# KiCad board Cacao.kicad_pcb
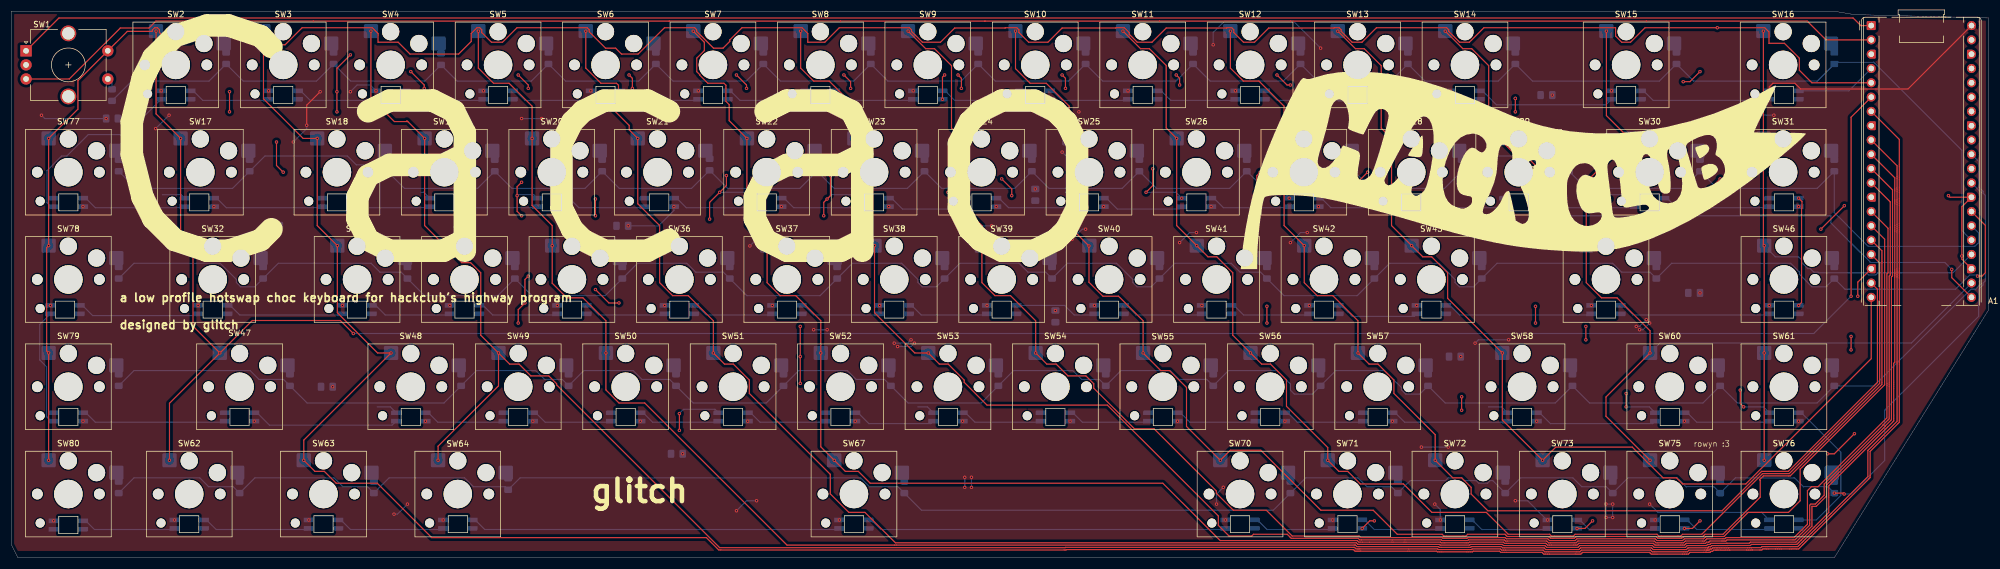
[diagram p0: board, top side]
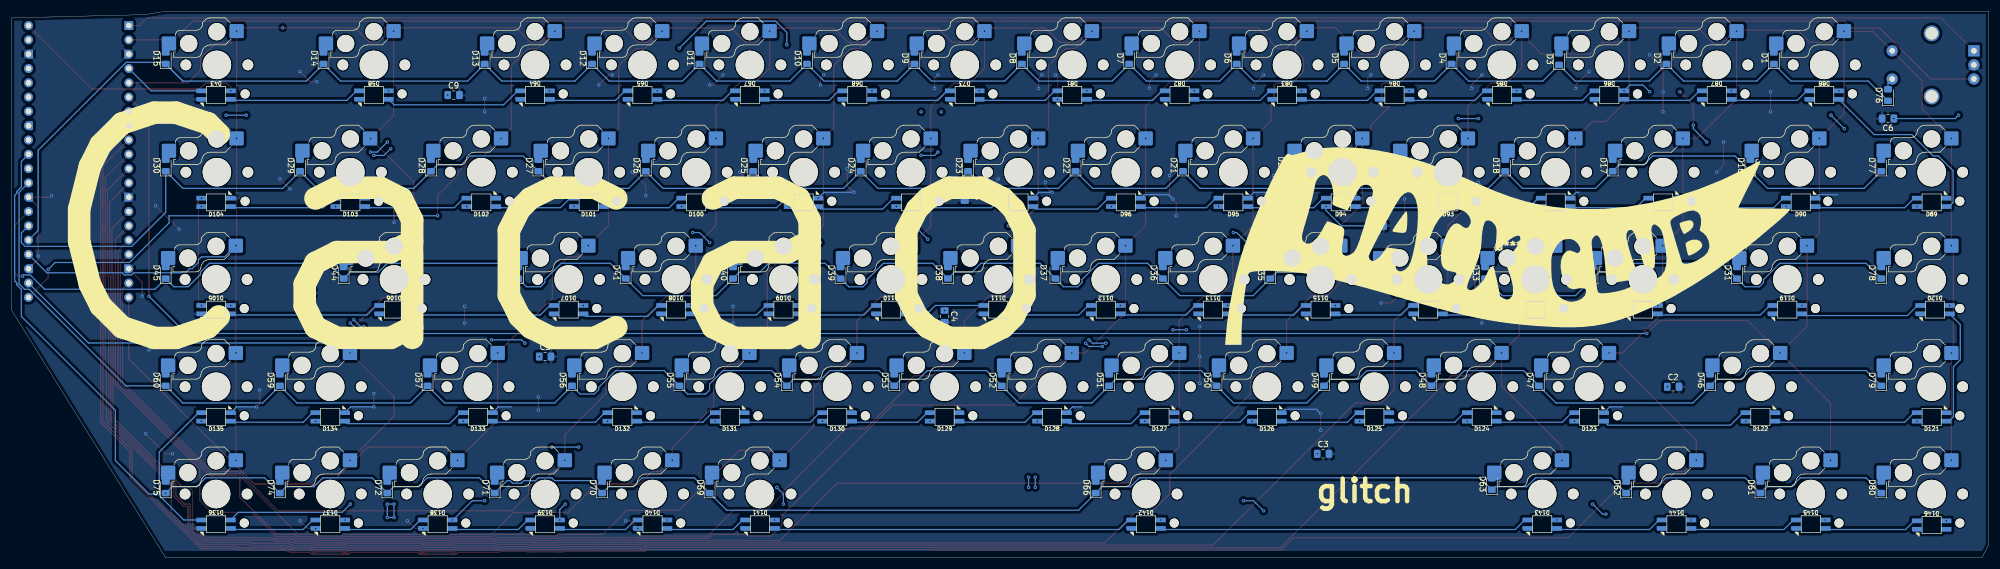
[diagram p1: board, bottom side, seen from below]

Outline 350.64 x 97.04 mm; copper layers: Top, Bottom. Coordinates in mm from the lower left corner of the outline.
Outline path: 0,97.04 0,2.38 1.19,0 323.25,0 350.64,44.05 350.64,95.85 326.83,96.44 323.25,97.04 0,97.04

## Placement (name value [footprint] x y rotation side)
A1  RaspberryPi_Pico  [RaspberryPi_Pico_Common_THT]  329.8 94.5 0 top
C1  C  [C_0805_2012Metric_Pad1.18x1.45mm_HandSolder]  46.59 58.94 180 bottom
C2  C  [C_0805_2012Metric_Pad1.18x1.45mm_HandSolder]  55.96 30.36 180 bottom
C3  C  [C_0805_2012Metric_Pad1.18x1.45mm_HandSolder]  118.03 18.45 180 bottom
C4  C  [C_0805_2012Metric_Pad1.18x1.45mm_HandSolder]  185.14 42.86 270 bottom
C5  C  [C_0805_2012Metric_Pad1.18x1.45mm_HandSolder]  255.98 35.72 180 bottom
C6  C  [C_0805_2012Metric_Pad1.18x1.45mm_HandSolder]  17.86 77.99 0 bottom
C7  C  [C_0805_2012Metric_Pad1.18x1.45mm_HandSolder]  181.57 64.45 270 bottom
C8  C  [C_0805_2012Metric_Pad1.18x1.45mm_HandSolder]  108.35 58.94 180 bottom
C9  C  [C_0805_2012Metric_Pad1.18x1.45mm_HandSolder]  272.21 82.15 180 bottom
C10  C  [C_0805_2012Metric_Pad1.18x1.45mm_HandSolder]  298.4 47.03 180 bottom
D1  D  [D_0805_2012Metric_Pad1.15x1.40mm_HandSolder]  38.1 88.7 90 bottom
D2  D  [D_0805_2012Metric_Pad1.15x1.40mm_HandSolder]  57.15 88.7 90 bottom
D3  D  [D_0805_2012Metric_Pad1.15x1.40mm_HandSolder]  76.2 88.54 90 bottom
D4  D  [D_0805_2012Metric_Pad1.15x1.40mm_HandSolder]  95.25 88.7 90 bottom
D5  D  [D_0805_2012Metric_Pad1.15x1.40mm_HandSolder]  114.3 88.7 90 bottom
D6  D  [D_0805_2012Metric_Pad1.15x1.40mm_HandSolder]  133.35 88.7 90 bottom
D7  D  [D_0805_2012Metric_Pad1.15x1.40mm_HandSolder]  152.4 88.7 90 bottom
D8  D  [D_0805_2012Metric_Pad1.15x1.40mm_HandSolder]  171.45 88.7 90 bottom
D9  D  [D_0805_2012Metric_Pad1.15x1.40mm_HandSolder]  190.5 88.7 90 bottom
D10  D  [D_0805_2012Metric_Pad1.15x1.40mm_HandSolder]  209.55 88.7 90 bottom
D11  D  [D_0805_2012Metric_Pad1.15x1.40mm_HandSolder]  228.6 88.7 90 bottom
D12  D  [D_0805_2012Metric_Pad1.15x1.40mm_HandSolder]  247.65 88.7 90 bottom
D13  D  [D_0805_2012Metric_Pad1.15x1.40mm_HandSolder]  266.7 88.7 90 bottom
D14  D  [D_0805_2012Metric_Pad1.15x1.40mm_HandSolder]  295.28 88.7 90 bottom
D15  D  [D_0805_2012Metric_Pad1.15x1.40mm_HandSolder]  323.25 88.7 90 bottom
D16  D  [D_0805_2012Metric_Pad1.15x1.40mm_HandSolder]  42.27 69.65 90 bottom
D17  D  [D_0805_2012Metric_Pad1.15x1.40mm_HandSolder]  66.68 69.65 90 bottom
D18  D  [D_0805_2012Metric_Pad1.15x1.40mm_HandSolder]  85.73 69.65 90 bottom
D19  D  [D_0805_2012Metric_Pad1.15x1.40mm_HandSolder]  104.78 69.65 90 bottom
D20  D  [D_0805_2012Metric_Pad1.15x1.40mm_HandSolder]  123.83 69.82 90 bottom
D21  D  [D_0805_2012Metric_Pad1.15x1.40mm_HandSolder]  142.88 69.65 90 bottom
D22  D  [D_0805_2012Metric_Pad1.15x1.40mm_HandSolder]  161.93 69.65 90 bottom
D23  D  [D_0805_2012Metric_Pad1.15x1.40mm_HandSolder]  180.98 69.65 90 bottom
D24  D  [D_0805_2012Metric_Pad1.15x1.40mm_HandSolder]  200.03 69.65 90 bottom
D25  D  [D_0805_2012Metric_Pad1.15x1.40mm_HandSolder]  219.08 69.65 90 bottom
D26  D  [D_0805_2012Metric_Pad1.15x1.40mm_HandSolder]  238.13 69.65 90 bottom
D27  D  [D_0805_2012Metric_Pad1.15x1.40mm_HandSolder]  257.18 69.65 90 bottom
D28  D  [D_0805_2012Metric_Pad1.15x1.40mm_HandSolder]  276.23 69.65 90 bottom
D29  D  [D_0805_2012Metric_Pad1.15x1.40mm_HandSolder]  299.44 69.65 90 bottom
D30  D  [D_0805_2012Metric_Pad1.15x1.40mm_HandSolder]  323.25 69.65 90 bottom
D31  D  [D_0805_2012Metric_Pad1.15x1.40mm_HandSolder]  44.65 50.6 90 bottom
D32  D  [D_0805_2012Metric_Pad1.15x1.40mm_HandSolder]  70.25 50.6 90 bottom
D33  D  [D_0805_2012Metric_Pad1.15x1.40mm_HandSolder]  89.3 50.6 90 bottom
D34  D  [D_0805_2012Metric_Pad1.15x1.40mm_HandSolder]  108.35 50.6 90 bottom
D35  D  [D_0805_2012Metric_Pad1.15x1.40mm_HandSolder]  127.4 50.6 90 bottom
D36  D  [D_0805_2012Metric_Pad1.15x1.40mm_HandSolder]  146.45 50.6 90 bottom
D37  D  [D_0805_2012Metric_Pad1.15x1.40mm_HandSolder]  165.5 50.6 90 bottom
D38  D  [D_0805_2012Metric_Pad1.15x1.40mm_HandSolder]  184.55 50.6 90 bottom
D39  D  [D_0805_2012Metric_Pad1.15x1.40mm_HandSolder]  203.6 50.6 90 bottom
D40  D  [D_0805_2012Metric_Pad1.15x1.40mm_HandSolder]  222.65 50.6 90 bottom
D41  D  [D_0805_2012Metric_Pad1.15x1.40mm_HandSolder]  241.7 50.6 90 bottom
D42  D  [D_0805_2012Metric_Pad1.15x1.40mm_HandSolder]  260.75 50.6 90 bottom
D43  SK6812MINI  [SK6812MINI-E]  314.33 82.15 0 bottom
D44  D  [D_0805_2012Metric_Pad1.15x1.40mm_HandSolder]  291.7 50.6 90 bottom
D45  D  [D_0805_2012Metric_Pad1.15x1.40mm_HandSolder]  323.25 50.6 90 bottom
D46  D  [D_0805_2012Metric_Pad1.15x1.40mm_HandSolder]  49.41 31.55 90 bottom
D47  D  [D_0805_2012Metric_Pad1.15x1.40mm_HandSolder]  79.77 31.55 90 bottom
D48  D  [D_0805_2012Metric_Pad1.15x1.40mm_HandSolder]  98.82 31.55 90 bottom
D49  D  [D_0805_2012Metric_Pad1.15x1.40mm_HandSolder]  117.87 31.55 90 bottom
D50  D  [D_0805_2012Metric_Pad1.15x1.40mm_HandSolder]  136.92 31.55 90 bottom
D51  D  [D_0805_2012Metric_Pad1.15x1.40mm_HandSolder]  155.97 31.55 90 bottom
D52  D  [D_0805_2012Metric_Pad1.15x1.40mm_HandSolder]  175.02 31.55 90 bottom
D53  D  [D_0805_2012Metric_Pad1.15x1.40mm_HandSolder]  194.07 31.55 90 bottom
D54  D  [D_0805_2012Metric_Pad1.15x1.40mm_HandSolder]  213.12 31.55 90 bottom
D55  D  [D_0805_2012Metric_Pad1.15x1.40mm_HandSolder]  232.17 31.55 90 bottom
D56  D  [D_0805_2012Metric_Pad1.15x1.40mm_HandSolder]  251.22 31.55 90 bottom
D57  D  [D_0805_2012Metric_Pad1.15x1.40mm_HandSolder]  276.82 31.55 90 bottom
D58  SK6812MINI  [SK6812MINI-E]  286.35 82.15 0 bottom
D59  D  [D_0805_2012Metric_Pad1.15x1.40mm_HandSolder]  303.01 31.55 90 bottom
D60  D  [D_0805_2012Metric_Pad1.15x1.40mm_HandSolder]  323.25 31.55 90 bottom
D61  D  [D_0805_2012Metric_Pad1.15x1.40mm_HandSolder]  40.48 12.5 90 bottom
D62  D  [D_0805_2012Metric_Pad1.15x1.40mm_HandSolder]  64.29 12.5 90 bottom
D63  D  [D_0805_2012Metric_Pad1.15x1.40mm_HandSolder]  88.11 13.1 90 bottom
D64  SK6812MINI  [SK6812MINI-E]  257.77 82.15 0 bottom
D65  SK6812MINI  [SK6812MINI-E]  238.72 82.15 0 bottom
D66  D  [D_0805_2012Metric_Pad1.15x1.40mm_HandSolder]  158.35 12.5 90 bottom
D67  SK6812MINI  [SK6812MINI-E]  219.67 82.15 0 bottom
D68  SK6812MINI  [SK6812MINI-E]  200.62 82.15 0 bottom
D69  D  [D_0805_2012Metric_Pad1.15x1.40mm_HandSolder]  226.81 12.5 90 bottom
D70  D  [D_0805_2012Metric_Pad1.15x1.40mm_HandSolder]  245.86 12.5 90 bottom
D71  D  [D_0805_2012Metric_Pad1.15x1.40mm_HandSolder]  264.91 12.5 90 bottom
D72  D  [D_0805_2012Metric_Pad1.15x1.40mm_HandSolder]  283.96 12.5 90 bottom
D73  SK6812MINI  [SK6812MINI-E]  181.57 82.15 0 bottom
D74  D  [D_0805_2012Metric_Pad1.15x1.40mm_HandSolder]  303.01 12.5 90 bottom
D75  D  [D_0805_2012Metric_Pad1.15x1.40mm_HandSolder]  323.25 12.5 90 bottom
D76  D  [D_0805_2012Metric_Pad1.15x1.40mm_HandSolder]  17.86 82.15 90 bottom
D77  D  [D_0805_2012Metric_Pad1.15x1.40mm_HandSolder]  19.05 69.65 90 bottom
D78  D  [D_0805_2012Metric_Pad1.15x1.40mm_HandSolder]  19.05 50.6 90 bottom
D79  D  [D_0805_2012Metric_Pad1.15x1.40mm_HandSolder]  19.05 31.55 90 bottom
D80  D  [D_0805_2012Metric_Pad1.15x1.40mm_HandSolder]  19.05 12.5 90 bottom
D81  SK6812MINI  [SK6812MINI-E]  162.52 82.15 0 bottom
D82  SK6812MINI  [SK6812MINI-E]  143.47 82.15 0 bottom
D83  SK6812MINI  [SK6812MINI-E]  124.42 82.15 0 bottom
D84  SK6812MINI  [SK6812MINI-E]  105.37 82.15 0 bottom
D85  SK6812MINI  [SK6812MINI-E]  86.32 82.15 0 bottom
D86  SK6812MINI  [SK6812MINI-E]  67.27 82.15 0 bottom
D87  SK6812MINI  [SK6812MINI-E]  48.22 82.15 0 bottom
D88  SK6812MINI  [SK6812MINI-E]  29.17 82.15 0 bottom
D89  SK6812MINI  [SK6812MINI-E]  10.12 63.1 180 bottom
D90  SK6812MINI  [SK6812MINI-E]  33.34 63.1 180 bottom
D91  SK6812MINI  [SK6812MINI-E]  57.75 63.1 180 bottom
D92  SK6812MINI  [SK6812MINI-E]  76.8 63.1 180 bottom
D93  SK6812MINI  [SK6812MINI-E]  95.85 63.1 180 bottom
D94  SK6812MINI  [SK6812MINI-E]  114.9 63.1 180 bottom
D95  SK6812MINI  [SK6812MINI-E]  133.95 63.1 180 bottom
D96  SK6812MINI  [SK6812MINI-E]  153 63.1 180 bottom
D97  SK6812MINI  [SK6812MINI-E]  172.05 63.1 180 bottom
D98  SK6812MINI  [SK6812MINI-E]  191.1 63.1 180 bottom
D99  SK6812MINI  [SK6812MINI-E]  210.15 63.1 180 bottom
D100  SK6812MINI  [SK6812MINI-E]  229.2 63.1 180 bottom
D101  SK6812MINI  [SK6812MINI-E]  248.25 63.1 180 bottom
D102  SK6812MINI  [SK6812MINI-E]  267.3 63.1 180 bottom
D103  SK6812MINI  [SK6812MINI-E]  290.51 63.1 180 bottom
D104  SK6812MINI  [SK6812MINI-E]  314.33 63.1 180 bottom
D105  SK6812MINI  [SK6812MINI-E]  314.33 44.05 0 bottom
D106  SK6812MINI  [SK6812MINI-E]  282.77 44.05 0 bottom
D107  SK6812MINI  [SK6812MINI-E]  251.82 44.05 0 bottom
D108  SK6812MINI  [SK6812MINI-E]  232.77 44.05 0 bottom
D109  SK6812MINI  [SK6812MINI-E]  213.72 44.05 0 bottom
D110  SK6812MINI  [SK6812MINI-E]  194.67 44.05 0 bottom
D111  SK6812MINI  [SK6812MINI-E]  175.62 44.05 0 bottom
D112  SK6812MINI  [SK6812MINI-E]  156.57 44.05 0 bottom
D113  SK6812MINI  [SK6812MINI-E]  137.54 44.05 0 bottom
D115  SK6812MINI  [SK6812MINI-E]  118.47 44.05 0 bottom
D116  SK6812MINI  [SK6812MINI-E]  99.42 44.05 0 bottom
D117  SK6812MINI  [SK6812MINI-E]  80.37 44.05 0 bottom
D118  SK6812MINI  [SK6812MINI-E]  61.32 44.05 0 bottom
D119  SK6812MINI  [SK6812MINI-E]  35.72 44.05 0 bottom
D120  SK6812MINI  [SK6812MINI-E]  9.53 44.05 0 bottom
D121  SK6812MINI  [SK6812MINI-E]  10.12 25 180 bottom
D122  SK6812MINI  [SK6812MINI-E]  40.48 25 180 bottom
D123  SK6812MINI  [SK6812MINI-E]  70.84 25 180 bottom
D124  SK6812MINI  [SK6812MINI-E]  89.89 25 180 bottom
D125  SK6812MINI  [SK6812MINI-E]  108.94 25 180 bottom
D126  SK6812MINI  [SK6812MINI-E]  127.99 25 180 bottom
D127  SK6812MINI  [SK6812MINI-E]  147.04 25 180 bottom
D128  SK6812MINI  [SK6812MINI-E]  166.09 25 180 bottom
D129  SK6812MINI  [SK6812MINI-E]  185.14 25 180 bottom
D130  SK6812MINI  [SK6812MINI-E]  204.19 25 180 bottom
D131  SK6812MINI  [SK6812MINI-E]  223.24 25 180 bottom
D132  SK6812MINI  [SK6812MINI-E]  242.29 25 180 bottom
D133  SK6812MINI  [SK6812MINI-E]  267.89 25 180 bottom
D134  SK6812MINI  [SK6812MINI-E]  294.08 25 180 bottom
D135  SK6812MINI  [SK6812MINI-E]  314.33 25 180 bottom
D136  SK6812MINI  [SK6812MINI-E]  314.33 5.95 0 bottom
D137  SK6812MINI  [SK6812MINI-E]  294.08 5.95 0 bottom
D138  SK6812MINI  [SK6812MINI-E]  275.03 5.95 0 bottom
D139  SK6812MINI  [SK6812MINI-E]  255.98 5.95 0 bottom
D140  SK6812MINI  [SK6812MINI-E]  236.93 5.95 0 bottom
D141  SK6812MINI  [SK6812MINI-E]  217.88 5.95 0 bottom
D142  SK6812MINI  [SK6812MINI-E]  149.42 5.95 0 bottom
D143  SK6812MINI  [SK6812MINI-E]  79.18 5.95 0 bottom
D144  SK6812MINI  [SK6812MINI-E]  55.36 5.95 0 bottom
D145  SK6812MINI  [SK6812MINI-E]  31.55 5.95 0 bottom
D146  SK6812MINI  [SK6812MINI-E]  10.12 5.8 0 bottom
G***  -  [LOGO]  268.3 68.81 0 top
G***#2  -  [LOGO]  85.13 55.36 180 bottom
SW1  RotaryEncoder_Switch  [RotaryEncoder_Alps_EC12E-Switch_Vertical_H20mm_CircularMountingHoles]  2.62 90.01 0 top
SW2  esc  [Hotswap_Choc_V1V2_1.00u]  29.17 87.51 0 top
SW3  SW_Push  [Hotswap_Choc_V1V2_1.00u]  48.22 87.51 0 top
SW4  SW_Push  [Hotswap_Choc_V1V2_1.00u]  67.27 87.51 0 top
SW5  SW_Push  [Hotswap_Choc_V1V2_1.00u]  86.32 87.51 0 top
SW6  SW_Push  [Hotswap_Choc_V1V2_1.00u]  105.37 87.51 0 top
SW7  SW_Push  [Hotswap_Choc_V1V2_1.00u]  124.42 87.51 0 top
SW8  SW_Push  [Hotswap_Choc_V1V2_1.00u]  143.47 87.51 0 top
SW9  SW_Push  [Hotswap_Choc_V1V2_1.00u]  162.52 87.51 0 top
SW10  SW_Push  [Hotswap_Choc_V1V2_1.00u]  181.57 87.51 0 top
SW11  SW_Push  [Hotswap_Choc_V1V2_1.00u]  200.62 87.51 0 top
SW12  SW_Push  [Hotswap_Choc_V1V2_1.00u]  219.67 87.51 0 top
SW13  SW_Push  [Hotswap_Choc_V1V2_1.00u]  238.72 87.51 0 top
SW14  +  [Hotswap_Choc_V1V2_1.00u]  257.77 87.51 0 top
SW15  back  [Hotswap_Choc_V1V2_2.00u]  286.35 87.51 0 top
SW16  `  [Hotswap_Choc_V1V2_1.00u]  314.18 87.51 0 top
SW17  tab  [Hotswap_Choc_V1V2_1.50u]  33.53 68.46 0 top
SW18  SW_Push  [Hotswap_Choc_V1V2_1.00u]  57.75 68.46 0 top
SW19  SW_Push  [Hotswap_Choc_V1V2_1.00u]  76.8 68.46 0 top
SW20  SW_Push  [Hotswap_Choc_V1V2_1.00u]  95.85 68.46 0 top
SW21  SW_Push  [Hotswap_Choc_V1V2_1.00u]  114.59 68.46 0 top
SW22  SW_Push  [Hotswap_Choc_V1V2_1.00u]  133.95 68.46 0 top
SW23  SW_Push  [Hotswap_Choc_V1V2_1.00u]  153 68.46 0 top
SW24  SW_Push  [Hotswap_Choc_V1V2_1.00u]  172.05 68.46 0 top
SW25  SW_Push  [Hotswap_Choc_V1V2_1.00u]  191.1 68.46 0 top
SW26  SW_Push  [Hotswap_Choc_V1V2_1.00u]  210.15 68.46 0 top
SW27  SW_Push  [Hotswap_Choc_V1V2_1.00u]  229.2 68.46 0 top
SW28  SW_Push  [Hotswap_Choc_V1V2_1.00u]  248.25 68.46 0 top
SW29  ]  [Hotswap_Choc_V1V2_1.00u]  267.3 68.46 0 top
SW30  \  [Hotswap_Choc_V1V2_1.50u]  290.51 68.46 0 top
SW31  del  [Hotswap_Choc_V1V2_1.00u]  314.18 68.46 0 top
SW32  caps  [Hotswap_Choc_V1V2_1.75u]  35.72 49.41 0 top
SW33  SW_Push  [Hotswap_Choc_V1V2_1.00u]  61.32 49.41 0 top
SW34  SW_Push  [Hotswap_Choc_V1V2_1.00u]  80.37 49.41 0 top
SW35  SW_Push  [Hotswap_Choc_V1V2_1.00u]  99.42 49.41 0 top
SW36  SW_Push  [Hotswap_Choc_V1V2_1.00u]  118.47 49.41 0 top
SW37  SW_Push  [Hotswap_Choc_V1V2_1.00u]  137.52 49.41 0 top
SW38  SW_Push  [Hotswap_Choc_V1V2_1.00u]  156.57 49.41 0 top
SW39  SW_Push  [Hotswap_Choc_V1V2_1.00u]  175.62 49.41 0 top
SW40  SW_Push  [Hotswap_Choc_V1V2_1.00u]  194.67 49.41 0 top
SW41  SW_Push  [Hotswap_Choc_V1V2_1.00u]  213.72 49.41 0 top
SW42  SW_Push  [Hotswap_Choc_V1V2_1.00u]  232.77 49.41 0 top
SW43  SW_Push  [Hotswap_Choc_V1V2_1.00u]  251.82 49.41 0 top
SW45  enter  [Hotswap_Choc_V1V2_2.25u]  282.77 49.41 0 top
SW46  pgup  [Hotswap_Choc_V1V2_1.00u]  314.33 49.41 0 top
SW47  shift  [Hotswap_Choc_V1V2_2.25u]  40.48 30.36 0 top
SW48  SW_Push  [Hotswap_Choc_V1V2_1.00u]  70.84 30.36 0 top
SW49  SW_Push  [Hotswap_Choc_V1V2_1.00u]  89.89 30.36 0 top
SW50  SW_Push  [Hotswap_Choc_V1V2_1.00u]  108.94 30.36 0 top
SW51  SW_Push  [Hotswap_Choc_V1V2_1.00u]  127.99 30.36 0 top
SW52  SW_Push  [Hotswap_Choc_V1V2_1.00u]  147.04 30.36 0 top
SW53  SW_Push  [Hotswap_Choc_V1V2_1.00u]  166.09 30.36 0 top
SW54  SW_Push  [Hotswap_Choc_V1V2_1.00u]  185.14 30.36 0 top
SW55  SW_Push  [Hotswap_Choc_V1V2_1.00u]  204.19 30.36 0 top
SW56  SW_Push  [Hotswap_Choc_V1V2_1.00u]  223.24 30.36 0 top
SW57  SW_Push  [Hotswap_Choc_V1V2_1.00u]  242.29 30.36 0 top
SW58  rshift  [Hotswap_Choc_V1V2_1.75u]  267.89 30.36 0 top
SW60  up  [Hotswap_Choc_V1V2_1.00u]  294.08 30.36 0 top
SW61  pgdn  [Hotswap_Choc_V1V2_1.00u]  314.33 30.36 0 top
SW62  ctrl  [Hotswap_Choc_V1V2_1.25u]  31.55 11.31 0 top
SW63  win  [Hotswap_Choc_V1V2_1.25u]  55.36 11.31 0 top
SW64  alt  [Hotswap_Choc_V1V2_1.25u]  79.18 11.31 0 top
SW67  space  [Hotswap_Choc_V1V2_6.25u]  149.42 11.31 0 top
SW70  alt  [Hotswap_Choc_V1V2_1.00u]  217.88 11.31 0 top
SW71  fn  [Hotswap_Choc_V1V2_1.00u]  236.93 11.31 0 top
SW72  ctrl  [Hotswap_Choc_V1V2_1.00u]  255.98 11.31 0 top
SW73  left  [Hotswap_Choc_V1V2_1.00u]  275.03 11.31 0 top
SW75  down  [Hotswap_Choc_V1V2_1.00u]  294.08 11.31 0 top
SW76  right  [Hotswap_Choc_V1V2_1.00u]  314.33 11.31 0 top
SW77  M1  [Hotswap_Choc_V1V2_1.00u]  10.12 68.46 0 top
SW78  M2  [Hotswap_Choc_V1V2_1.00u]  10.12 49.41 0 top
SW79  M3  [Hotswap_Choc_V1V2_1.00u]  10.12 30.36 0 top
SW80  M4  [Hotswap_Choc_V1V2_1.00u]  10.12 11.31 0 top

## Library data of the parts
A1 = -: Datasheet: https://datasheets.raspberrypi.com/pico/pico-datasheet.pdf; Description: Versatile and inexpensive microcontroller module powered by RP2040 dual-core Arm Cortex-M0+ processor up to 133 MHz, 264kB SRAM, 2MB QSPI flash; also supports Raspberry Pi Pico 2; ki_fp_filters: RaspberryPi?Pico?Common* RaspberryPi?Pico?SMD*
C1-C10 = -: Description: Unpolarized capacitor; ki_fp_filters: C_*
D1-D42 D44-D57 D59-D63 D66 D69-D72 D74-D80 = -: Description: Diode; Sim.Pins: 1=K 2=A; ki_fp_filters: TO-???* *_Diode_* *SingleDiode* D_*
D43 D58 D64 D65 D67 D68 D73 D81-D113 D115-D146 = -: Datasheet: https://cdn-shop.adafruit.com/product-files/2686/SK6812MINI_REV.01-1-2.pdf; Description: RGB LED with integrated controller; ki_fp_filters: LED*SK6812MINI*PLCC*3.5x3.5mm*P1.75mm*
SW1 = -: Description: Rotary encoder, dual channel, incremental quadrate outputs, with switch; ki_fp_filters: RotaryEncoder*Switch*
SW2-SW43 SW45-SW58 SW60-SW64 SW67 SW70-SW73 SW75-SW80 = -: Description: Push button switch, generic, two pins

## Footprints (pads in the part's own frame, mm; a bottom-side part is the same pattern mirrored in y, then rotated)
C_0805_2012Metric_Pad1.18x1.45mm_HandSolder
  rrect 1.175x1.45 smd: 1(-1.038,0) 2(1.038,0)
D_0805_2012Metric_Pad1.15x1.40mm_HandSolder
  rrect 1.15x1.4 smd: 1(-1.025,0) 2(1.025,0)
Hotswap_Choc_V1V2_1.00u
  round 1.9 hole 1.9 unplated: (-5.5,0) (5.5,0)
  round 1.6 hole 1.6 unplated: (-5,-5.15)
  round 3.05 hole 3.05 unplated: (0,5.9) (5,3.8)
  round 5.05 hole 5.05 unplated: (0,0)
  rrect 2.55x2.5 smd far side: 1(-3.5,6) 2(8.5,3.8)
Hotswap_Choc_V1V2_1.25u
  round 1.9 hole 1.9 unplated: (-5.5,0) (5.5,0)
  round 1.6 hole 1.6 unplated: (-5,-5.15)
  round 3.05 hole 3.05 unplated: (0,5.9) (5,3.8)
  round 5.05 hole 5.05 unplated: (0,0)
  rrect 2.55x2.5 smd far side: 1(-3.5,6) 2(8.5,3.8)
Hotswap_Choc_V1V2_1.50u
  round 1.9 hole 1.9 unplated: (-5.5,0) (5.5,0)
  round 1.6 hole 1.6 unplated: (-5,-5.15)
  round 3.05 hole 3.05 unplated: (0,5.9) (5,3.8)
  round 5.05 hole 5.05 unplated: (0,0)
  rrect 2.55x2.5 smd far side: 1(-3.5,6) 2(8.5,3.8)
Hotswap_Choc_V1V2_1.75u
  round 1.9 hole 1.9 unplated: (-5.5,0) (5.5,0)
  round 1.6 hole 1.6 unplated: (-5,-5.15)
  round 3.05 hole 3.05 unplated: (0,5.9) (5,3.8)
  round 5.05 hole 5.05 unplated: (0,0)
  rrect 2.55x2.5 smd far side: 1(-3.5,6) 2(8.5,3.8)
Hotswap_Choc_V1V2_2.00u
  round 1.9 hole 1.9 unplated: (-5.5,0) (5.5,0)
  round 1.6 hole 1.6 unplated: (-5,-5.15)
  round 3.05 hole 3.05 unplated: (0,5.9) (5,3.8)
  round 5.05 hole 5.05 unplated: (0,0)
  rrect 2.55x2.5 smd far side: 1(-3.5,6) 2(8.5,3.8)
Hotswap_Choc_V1V2_2.25u
  round 1.9 hole 1.9 unplated: (-5.5,0) (5.5,0)
  round 1.6 hole 1.6 unplated: (-5,-5.15)
  round 3.05 hole 3.05 unplated: (0,5.9) (5,3.8)
  round 5.05 hole 5.05 unplated: (0,0)
  rrect 2.55x2.5 smd far side: 1(-3.5,6) 2(8.5,3.8)
Hotswap_Choc_V1V2_6.25u
  round 1.9 hole 1.9 unplated: (-5.5,0) (5.5,0)
  round 1.6 hole 1.6 unplated: (-5,-5.15)
  round 3.05 hole 3.05 unplated: (0,5.9) (5,3.8)
  round 5.05 hole 5.05 unplated: (0,0)
  rrect 2.55x2.5 smd far side: 1(-3.5,6) 2(8.5,3.8)
RaspberryPi_Pico_Common_THT
  rrect 1.6x1.6 hole 1: 1(0,0)
  round 1.6 hole 1: 2(0,-2.54) 4(0,-7.62) 5(0,-10.16) 6(0,-12.7) 7(0,-15.24) 9(0,-20.32) 10(0,-22.86) 11(0,-25.4) 12(0,-27.94) 14(0,-33.02) 15(0,-35.56) 16(0,-38.1) 17(0,-40.64) 19(0,-45.72) 20(0,-48.26) 21(17.78,-48.26) 22(17.78,-45.72) 24(17.78,-40.64) 25(17.78,-38.1) 26(17.78,-35.56) 27(17.78,-33.02) 29(17.78,-27.94) 30(17.78,-25.4) 31(17.78,-22.86) 32(17.78,-20.32) 34(17.78,-15.24) 35(17.78,-12.7) 36(17.78,-10.16) 37(17.78,-7.62) 39(17.78,-2.54) 40(17.78,0)
  custom 1.6x1.6 hole 1: 3(0,-5.08) 8(0,-17.78) 13(0,-30.48) 18(0,-43.18) 23(17.78,-43.18) 28(17.78,-30.48) 33(17.78,-17.78) 38(17.78,-5.08)
RotaryEncoder_Alps_EC12E-Switch_Vertical_H20mm_CircularMountingHoles
  rect 2x2 hole 1: A(0,0)
  round 2 hole 1: B(0,-5) C(0,-2.5) S1(14.5,0) S2(14.5,-5)
  round 2.8 hole 2.2: MP(7.5,3.1) MP(7.5,-8.1)
SK6812MINI-E
  rect 1.8x0.82 smd: 1(-2.6,0.75) 3(2.6,-0.75) 4(-2.6,-0.75)
  rrect 1.8x0.82 smd: 2(2.6,0.75)

## Nets
+5V: A1.40 C1.1 C2.1 C3.1 C4.1 C5.1 C6.1 C7.1 C8.1 C9.1 C10.1 D43.4 D58.4 D64.4 D65.4 D67.4 D68.4 D73.4 D81.4 D82.4 D83.4 D84.4 D85.4 D86.4 D87.4 D88.4 D89.4 D90.4 D91.4 D92.4 D93.4 D94.4 D95.4 D96.4 D97.4 D98.4 D99.4 D100.4 D101.4 D102.4 D103.4 D104.4 D105.4 D106.4 D107.4 D108.4 D109.4 D110.4 D111.4 D112.4 D113.4 D115.4 D116.4 D117.4 D118.4 D119.4 D120.4 D121.4 D122.4 D123.4 D124.4 D125.4 D126.4 D127.4 D128.4 D129.4 D130.4 D131.4 D132.4 D133.4 D134.4 D135.4 D136.4 D137.4 D138.4 D139.4 D140.4 D141.4 D142.4 D143.4 D144.4 D145.4 D146.4
GND: A1.3 A1.8 A1.13 A1.18 A1.23 A1.28 A1.38 C1.2 C2.2 C3.2 C4.2 C5.2 C6.2 C7.2 C8.2 C9.2 C10.2 D43.2 D58.2 D64.2 D65.2 D67.2 D68.2 D73.2 D81.2 D82.2 D83.2 D84.2 D85.2 D86.2 D87.2 D88.2 D89.2 D90.2 D91.2 D92.2 D93.2 D94.2 D95.2 D96.2 D97.2 D98.2 D99.2 D100.2 D101.2 D102.2 D103.2 D104.2 D105.2 D106.2 D107.2 D108.2 D109.2 D110.2 D111.2 D112.2 D113.2 D115.2 D116.2 D117.2 D118.2 D119.2 D120.2 D121.2 D122.2 D123.2 D124.2 D125.2 D126.2 D127.2 D128.2 D129.2 D130.2 D131.2 D132.2 D133.2 D134.2 D135.2 D136.2 D137.2 D138.2 D139.2 D140.2 D141.2 D142.2 D143.2 D144.2 D145.2 D146.2 SW1.C
col0: A1.5 SW1.S1 SW77.1 SW78.1 SW79.1 SW80.1
col1: A1.6 SW2.1 SW17.1 SW32.1 SW47.1 SW62.1
col2: A1.7 SW3.1 SW18.1 SW33.1 SW48.1 SW63.1
col3: A1.9 SW4.1 SW19.1 SW34.1 SW49.1 SW64.1
col4: A1.10 SW5.1 SW20.1 SW35.1 SW50.1
col5: A1.11 SW6.1 SW21.1 SW36.1 SW51.1
col6: A1.12 SW7.1 SW22.1 SW37.1 SW52.1 SW67.1
col7: A1.14 SW8.1 SW23.1 SW38.1 SW53.1
col8: A1.15 SW9.1 SW24.1 SW39.1 SW54.1
col9: A1.16 SW10.1 SW25.1 SW40.1 SW55.1 SW70.1
col10: A1.17 SW11.1 SW26.1 SW41.1 SW56.1 SW71.1
col11: A1.19 SW12.1 SW27.1 SW42.1 SW57.1 SW72.1
col12: A1.20 SW13.1 SW28.1 SW43.1 SW58.1 SW73.1
col13: A1.21 SW14.1 SW29.1
col14: A1.22 SW15.1 SW30.1 SW45.1 SW60.1 SW75.1
col15: A1.24 SW16.1 SW31.1 SW46.1 SW61.1 SW76.1
ECA: A1.1 SW1.A
ECB: A1.2 SW1.B
rgb: A1.4 D43.3
rgb1: D85.1 D86.3
rgb2: D97.1 D98.3
rgb3: D109.1 D110.3
rgb4: D121.1 D122.3
rgb5: D133.1 D134.3
row0: A1.25 D1.1 D2.1 D3.1 D4.1 D5.1 D6.1 D7.1 D8.1 D9.1 D10.1 D11.1 D12.1 D13.1 D14.1 D15.1 D76.1
row1: A1.26 D16.1 D17.1 D18.1 D19.1 D20.1 D21.1 D22.1 D23.1 D24.1 D25.1 D26.1 D27.1 D28.1 D29.1 D30.1 D77.1
row2: A1.27 D31.1 D32.1 D33.1 D34.1 D35.1 D36.1 D37.1 D38.1 D39.1 D40.1 D41.1 D42.1 D44.1 D45.1 D78.1
row3: A1.29 D46.1 D47.1 D48.1 D49.1 D50.1 D51.1 D52.1 D53.1 D54.1 D55.1 D56.1 D57.1 D59.1 D60.1 D79.1
row4: A1.31 D61.1 D62.1 D63.1 D66.1 D69.1 D70.1 D71.1 D72.1 D74.1 D75.1 D80.1
Net-(D1-A): D1.2 SW2.2
Net-(D2-A): D2.2 SW3.2
Net-(D3-A): D3.2 SW4.2
Net-(D4-A): D4.2 SW5.2
Net-(D5-A): D5.2 SW6.2
Net-(D6-A): D6.2 SW7.2
Net-(D7-A): D7.2 SW8.2
Net-(D8-A): D8.2 SW9.2
Net-(D9-A): D9.2 SW10.2
Net-(D10-A): D10.2 SW11.2
Net-(D11-A): D11.2 SW12.2
Net-(D12-A): D12.2 SW13.2
Net-(D13-A): D13.2 SW14.2
Net-(D14-A): D14.2 SW15.2
Net-(D15-A): D15.2 SW16.2
Net-(D16-A): D16.2 SW17.2
Net-(D17-A): D17.2 SW18.2
Net-(D18-A): D18.2 SW19.2
Net-(D19-A): D19.2 SW20.2
Net-(D20-A): D20.2 SW21.2
Net-(D21-A): D21.2 SW22.2
Net-(D22-A): D22.2 SW23.2
Net-(D23-A): D23.2 SW24.2
Net-(D24-A): D24.2 SW25.2
Net-(D25-A): D25.2 SW26.2
Net-(D26-A): D26.2 SW27.2
Net-(D27-A): D27.2 SW28.2
Net-(D28-A): D28.2 SW29.2
Net-(D29-A): D29.2 SW30.2
Net-(D30-A): D30.2 SW31.2
Net-(D31-A): D31.2 SW32.2
Net-(D32-A): D32.2 SW33.2
Net-(D33-A): D33.2 SW34.2
Net-(D34-A): D34.2 SW35.2
Net-(D35-A): D35.2 SW36.2
Net-(D36-A): D36.2 SW37.2
Net-(D37-A): D37.2 SW38.2
Net-(D38-A): D38.2 SW39.2
Net-(D39-A): D39.2 SW40.2
Net-(D40-A): D40.2 SW41.2